# Altium PCB BACKPMANv21.PcbDoc (part 2 of 5) (continued)
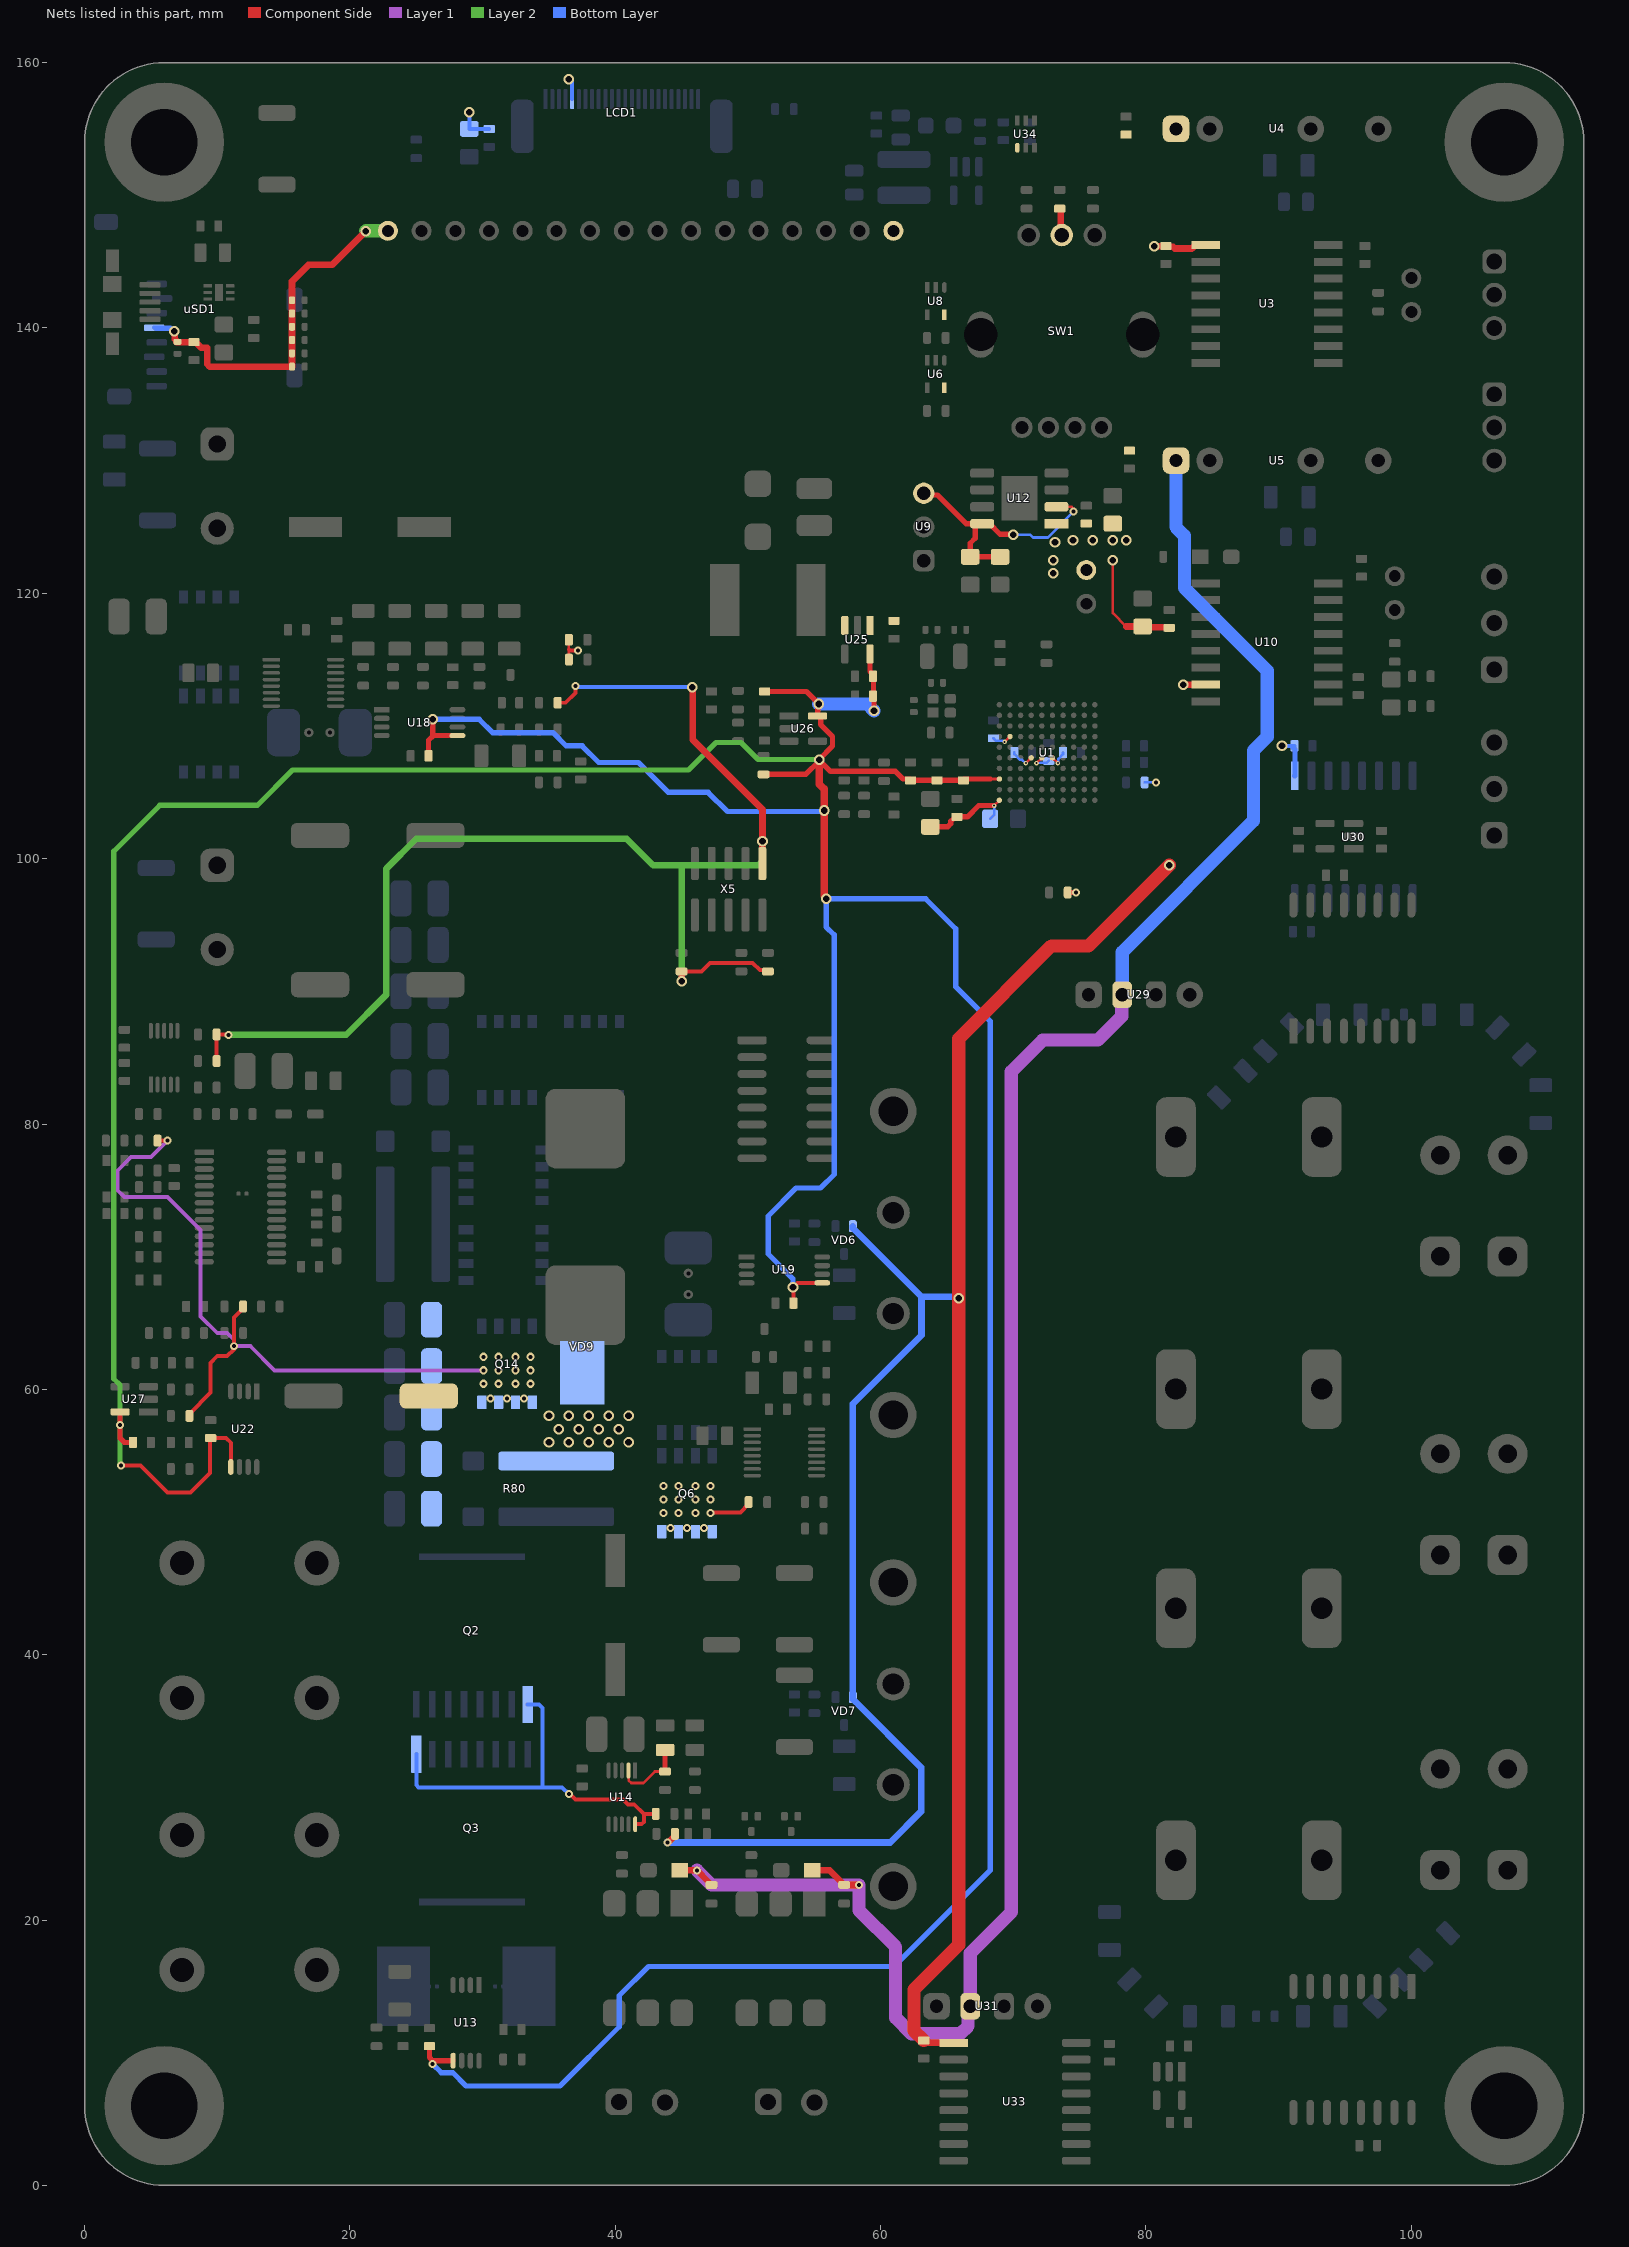
[diagram p4: the nets of this part, all layers, seen from the top]
## Part data (continued)
R50: "300 R, 1%, 0.1 W, 0603, SMD Resistor, Taped", Manufacturer=Vishay/Dale, PartNum=541-300HDKR-ND, Tolerance=1%, Voltage="75 V", Distributor=DigiKey, PartName=CRCW0603300RFKEA, Price=0.017$
R51 R53 R75: library part RMCF1206FT100K, "100 kOhms, ±1%, 0.25W, 1/4W, Thick Film, ±100ppm/°C, 1206 (3216 Metric), -55°C ~ 155°C, Automotive AEC-Q200", Manufacturer="Stackpole Electronics Inc.", Operating Temperature="-55°C ~ 155°C", Package / Case="1206 (3216 Metric)", PartNum=RMCF1206FT100KCT-ND, Power (Watts)="0.25W, 1/4W", Temperature Coefficient=±100ppm/°C, Tolerance=±1%, Voltage=200V, Distributor=Digi-Key, Features="Automotive AEC-Q200", PartName=RMCF1206FT100K, Part Number=RMCF1206FT100K, Price=0.01410
R52 R54: "4.7 K, 1%, 0603, SMD Resistor, Taped", Manufacturer="Vishay Dale", PartName=CRCW06034K70JNEA, PartNum=541-4.7KGDKR-ND, Tolerance=1%, Voltage="75 V", Distributor=Digi-Key
R55 R56: library part WSLF25122L000FEA, "2 mOhms, ±1%, 5W, Metal Element, ±70ppm/°C, 2512 (6432 Metric), -65°C ~ 170°C, Current Sense, Moisture Resistant, Pulse Withstanding", Manufacturer="Vishay Dale", Operating Temperature="-65°C ~ 170°C", Package / Case="2512 (6432 Metric)", PartNum=541-3126-1-ND, Power (Watts)=5W, Temperature Coefficient=±70ppm/°C, Tolerance=±1%, Distributor=Digi-Key, Features="Current Sense, Moisture Resistant, Pulse Withstanding", Part Number=WSLF25122L000FEA, PartName=WSLF25122L000FEA, Price=0.43430
R57: library part RMCF1206FT200K, "200 kOhms, ±1%, 0.25W, 1/4W, Thick Film, ±100ppm/°C, 1206 (3216 Metric), -55°C ~ 155°C, Automotive AEC-Q200", Manufacturer="Stackpole Electronics Inc.", Operating Temperature="-55°C ~ 155°C", Package / Case="1206 (3216 Metric)", PartNum=RMCF1206FT200KCT-ND, Power (Watts)="0.25W, 1/4W", Temperature Coefficient=±100ppm/°C, Tolerance=±1%, Voltage=200V, Distributor=Digi-Key, Features="Automotive AEC-Q200", PartName=RMCF1206FT200K, Part Number=RMCF1206FT200K, Price=0.01410
R59: library part RMCF1206FG150K, "150 kOhms, ±1%, 0.25W, 1/4W, Thick Film, ±100ppm/°C, 1206 (3216 Metric), -55°C ~ 155°C, Automotive AEC-Q200", Manufacturer="Stackpole Electronics Inc.", Operating Temperature="-55°C ~ 155°C", Package / Case="1206 (3216 Metric)", PartNum=RMCF1206FG150KCT-ND, Power (Watts)="0.25W, 1/4W", Temperature Coefficient=±100ppm/°C, Tolerance=±1%, Voltage=200V, Distributor=Digi-Key, Features="Automotive AEC-Q200", PartName=RMCF1206FG150K, Part Number=RMCF1206FG150K, Price=0.01500
R60: library part RMCF0603FT54K9, "54.9 kOhms, ±1%, 0.1W, 1/10W, Thick Film, ±100ppm/°C, 0603 (1608 Metric), -55°C ~ 155°C, Automotive AEC-Q200", Manufacturer="Stackpole Electronics Inc.", Operating Temperature="-55°C ~ 155°C", Package / Case="0603 (1608 Metric)", PartNum=RMCF0603FT54K9CT-ND, Power (Watts)="0.1W, 1/10W", Temperature Coefficient=±100ppm/°C, Tolerance=±1%, Voltage=75V, Distributor=Digi-Key, Features="Automotive AEC-Q200", PartName=RMCF0603FT54K9, Part Number=RMCF0603FT54K9, Price=0.00690
R64 R66 R84: library part RMCF0805FT10R0, "10 Ohms, ±1%, 0.125W, 1/8W, Thick Film, ±100ppm/°C, 0805 (2012 Metric), -55°C ~ 155°C, Automotive AEC-Q200", Manufacturer="Stackpole Electronics Inc.", Operating Temperature="-55°C ~ 155°C", Package / Case="0805 (2012 Metric)", PartNum=RMCF0805FT10R0CT-ND, Power (Watts)="0.125W, 1/8W", Temperature Coefficient=±100ppm/°C, Tolerance=±1%, Voltage=150V, Distributor=Digi-Key, Features="Automotive AEC-Q200", PartName=RMCF0805FT10R0, Part Number=RMCF0805FT10R0, Price=0.00950
R65: library part RMCF0603FT8K66, "8.66 kOhms, ±1%, 0.1W, 1/10W, Thick Film, ±100ppm/°C, 0603 (1608 Metric), -55°C ~ 155°C, Automotive AEC-Q200", Manufacturer="Stackpole Electronics Inc.", Operating Temperature="-55°C ~ 155°C", Package / Case="0603 (1608 Metric)", PartNum=RMCF0603FT8K66CT-ND, Power (Watts)="0.1W, 1/10W", Temperature Coefficient=±100ppm/°C, Tolerance=±1%, Voltage=75V, Distributor=Digi-Key, Features="Automotive AEC-Q200", PartName=RMCF0603FT8K66, Part Number=RMCF0603FT8K66, Price=0.00690
R69 R70: library part RC1206FR-075M6L, "5.6 MOhms, ±1%, 0.25W, 1/4W, Thick Film, ±100ppm/°C, 1206 (3216 Metric), -55°C ~ 155°C, Moisture Resistant", Manufacturer=Yageo, Operating Temperature="-55°C ~ 155°C", Package / Case="1206 (3216 Metric)", PartNum=311-5.60MFRCT-ND, Power (Watts)="0.25W, 1/4W", Temperature Coefficient=±100ppm/°C, Tolerance=±1%, Voltage=200V, Distributor=Digi-Key, Features="Moisture Resistant", PartName=RC1206FR-075M6L, Part Number=RC1206FR-075M6L, Price=0.03010
R73: library part RMCF0603FT510K, "510 kOhms, ±1%, 0.1W, 1/10W, Thick Film, ±100ppm/°C, 0603 (1608 Metric), -55°C ~ 155°C, Automotive AEC-Q200", Manufacturer="Stackpole Electronics Inc.", Operating Temperature="-55°C ~ 155°C", Package / Case="0603 (1608 Metric)", PartNum=RMCF0603FT510KCT-ND, Power (Watts)="0.1W, 1/10W", Temperature Coefficient=±100ppm/°C, Tolerance=±1%, Voltage=75V, Distributor=Digi-Key, Features="Automotive AEC-Q200", PartName=RMCF0603FT510K, Part Number=RMCF0603FT510K, Price=0.00690
R74: library part CRCW0603261KFKEA, "261 kOhms, ±1%, 0.1W, 1/10W, Thick Film, ±100ppm/°C, 0603 (1608 Metric), -55°C ~ 155°C, Automotive AEC-Q200", Manufacturer="Vishay Dale", Operating Temperature="-55°C ~ 155°C", Package / Case="0603 (1608 Metric)", PartNum=541-261KHCT-ND, Power (Watts)="0.1W, 1/10W", Temperature Coefficient=±100ppm/°C, Tolerance=±1%, Voltage=75V, Distributor=Digi-Key, Features="Automotive AEC-Q200", PartName=CRCW0603261KFKEA, Part Number=CRCW0603261KFKEA, Price=0.01700
R80 R86: "Curr.sens.res. 0.005 OHM 5W 1% , 4320 (50110 Metric)", Manufacturer=Ohmite, PartNum=588-FC4L110R005FER, Tolerance=1%, Distributor=Digi-Key, PartName=FC4L110R005FER, Price=2.42
R82 R95 R101 R102 R108 R113 R114 R115: library part RMCF0603FT100R, "100 Ohms, ±1%, 0.1W, 1/10W, Thick Film, ±100ppm/°C, 0603 (1608 Metric), -55°C ~ 155°C, Automotive AEC-Q200", Manufacturer="Stackpole Electronics Inc.", Operating Temperature="-55°C ~ 155°C", Package / Case="0603 (1608 Metric)", PartNum=RMCF0603FT100RCT-ND, Power (Watts)="0.1W, 1/10W", Temperature Coefficient=±100ppm/°C, Tolerance=±1%, Voltage=75V, Distributor=Digi-Key, Features="Automotive AEC-Q200", Part Number=RMCF0603FT100R, PartName=RMCF0603FT100R, Price=0.00690
R90: library part RMCF0603FT64K9, "64.9 kOhms, ±1%, 0.1W, 1/10W, Thick Film, ±100ppm/°C, 0603 (1608 Metric), -55°C ~ 155°C, Automotive AEC-Q200", Manufacturer="Stackpole Electronics Inc.", Operating Temperature="-55°C ~ 155°C", Package / Case="0603 (1608 Metric)", PartNum=RMCF0603FT64K9CT-ND, Power (Watts)="0.1W, 1/10W", Temperature Coefficient=±100ppm/°C, Tolerance=±1%, Voltage=75V, Distributor=Digi-Key, Features="Automotive AEC-Q200", Part Number=RMCF0603FT64K9, PartName=RMCF0603FT64K9, Price=0.00690
R93: library part RMCF0603FT27K0, "27 kOhms, ±1%, 0.1W, 1/10W, Thick Film, ±100ppm/°C, 0603 (1608 Metric), -55°C ~ 155°C, Automotive AEC-Q200", Manufacturer="Stackpole Electronics Inc.", Operating Temperature="-55°C ~ 155°C", Package / Case="0603 (1608 Metric)", PartNum=RMCF0603FT27K0CT-ND, Power (Watts)="0.1W, 1/10W", Temperature Coefficient=±100ppm/°C, Tolerance=±1%, Voltage=75V, Distributor=Digi-Key, Features="Automotive AEC-Q200", Part Number=RMCF0603FT27K0, PartName=RMCF0603FT27K0, Price=0.00690
R94: library part ERA-3AEB912V, "9,1 kOhms, ±0.1%, 0.1W, 1/10W, Thin Film, ±25ppm/°C, 0603 (1608 Metric), -55°C ~ 155°C, Automotive AEC-Q200", Manufacturer="Panasonic Electronic Components", Operating Temperature="-55°C ~ 155°C", Package / Case="0603 (1608 Metric)", PartNum=P9.1KDBCT-ND, Power (Watts)="0.1W, 1/10W", Temperature Coefficient=±25ppm/°C, Tolerance=±0.1%, Voltage=75V, Distributor=Digi-Key, Features="Automotive AEC-Q200", Part Number=ERA-3AEB912V, PartName=ERA-3AEB912V, Price=0.26
R96: library part ERA-3AEB224V, "220 kOhms, ±0.1%, 0.1W, 1/10W, Thin Film, ±25ppm/°C, 0603 (1608 Metric), -55°C ~ 155°C, Automotive AEC-Q200", Manufacturer="Panasonic Electronic Components", Operating Temperature="-55°C ~ 155°C", Package / Case="0603 (1608 Metric)", PartNum=P220KDBCT-ND, Power (Watts)="0.1W, 1/10W", Temperature Coefficient=±25ppm/°C, Tolerance=±0.1%, Voltage=75V, Distributor=Digi-Key, Features="Automotive AEC-Q200", Part Number=ERA-3AEB224V, PartName=ERA-3AEB224V, Price=0.26
R97 R98: library part RMCF0603FT4K70, "4.7 kOhms, ±1%, 0.1W, 1/10W, Thick Film, ±100ppm/°C, 0603 (1608 Metric), -55°C ~ 155°C, Automotive AEC-Q200", Manufacturer="Stackpole Electronics Inc.", Operating Temperature="-55°C ~ 155°C", Package / Case="0603 (1608 Metric)", PartNum=RMCF0603FT4K70CT-ND, Power (Watts)="0.1W, 1/10W", Temperature Coefficient=±100ppm/°C, Tolerance=±1%, Voltage=75V, Distributor=Digi-Key, Features="Automotive AEC-Q200", PartName=RMCF0603FT4K70, Part Number=RMCF0603FT4K70, Price=0.00690
R100: library part ERA-3AEB153V, "15 kOhms, ±0.1%, 0.1W, 1/10W, Thin Film, ±25ppm/°C, 0603 (1608 Metric), -55°C ~ 155°C, Automotive AEC-Q200", Manufacturer="Panasonic Electronic Components", Operating Temperature="-55°C ~ 155°C", Package / Case="0603 (1608 Metric)", PartNum=P15KDBCT-ND, Power (Watts)="0.1W, 1/10W", Temperature Coefficient=±25ppm/°C, Tolerance=±0.1%, Voltage=75V, Distributor=Digi-Key, Features="Automotive AEC-Q200", Part Number=ERA-3AEB153V, PartName=ERA-3AEB153V, Price=0.26
R106 R107: library part RT0603BRD07100KL, "100 kOhms, ±0.1%, 0.1W, 1/10W, Thin Film, ±25ppm/°C, 0603 (1608 Metric), -55°C ~ 155°C, -", Manufacturer=Yageo, Operating Temperature="-55°C ~ 155°C", Package / Case="0603 (1608 Metric)", PartNum=YAG1235CT-ND, Power (Watts)="0.1W, 1/10W", Temperature Coefficient=±25ppm/°C, Tolerance=±0.1%, Voltage=75V, Distributor=Digi-Key, Features=-, Part Number=RT0603BRD07100KL, PartName=RT0603BRD07100KL, Price=0.274
R109 R110: library part RT0603BRD071ML, "1 MOhms, ±0.1%, 0.1W, 1/10W, Thin Film, ±25ppm/°C, 0603 (1608 Metric), -55°C ~ 155°C, -", Manufacturer=Yageo, Operating Temperature="-55°C ~ 155°C", Package / Case="0603 (1608 Metric)", PartNum=YAG4498CT-ND, Power (Watts)="0.1W, 1/10W", Temperature Coefficient=±25ppm/°C, Tolerance=±0.1%, Voltage=75V, Distributor=Digi-Key, Features=-, Part Number=RT0603BRD071ML, PartName=RT0603BRD071ML, Price=0.254
R111 R112: library part ERA-3AEB823V, "82 kOhms, ±0.1%, 0.1W, 1/10W, Thin Film, ±25ppm/°C, 0603 (1608 Metric), -55°C ~ 155°C, Automotive AEC-Q200", Manufacturer="Panasonic Electronic Components", Operating Temperature="-55°C ~ 155°C", Package / Case="0603 (1608 Metric)", PartNum=P82KDBCT-ND, Power (Watts)="0.1W, 1/10W", Temperature Coefficient=±25ppm/°C, Tolerance=±0.1%, Voltage=75V, Distributor=Digi-Key, Features="Automotive AEC-Q200", Part Number=ERA-3AEB823V, PartName=ERA-3AEB823V, Price=0.26
R116 R117: "2 MOhms ±1% 0.25W, 1/4W Chip Resistor 1206 (3216 Metric) High Voltage Thick Film,-55°C ~ 155°C", Manufacturer="Vishay Dale", PartNum=BC2835CT-ND, Tolerance=±1%, Voltage=2000V, Distributor=Digi-Key, PartName=RCV12062M00FKEA, Price=0.29$
SW1: "Rotary Encoder Mechanical 24 Quadrature (Incremental) Vertical", Manufacturer="Bourns Inc.", PartNum=PEL12D-4225S-S2024-ND, Distributor=Digi-Key, PartName=PEL12D-4225S-S2024, Price=3.62$
U1: "Cortex-M7, 480MHz 2MB FLASH, 1MB RAM, 100-TFBGA (8x8)", Manufacturer=STMicroelectronics, PartNum=STM32H753VIH6-ND, Distributor=Digi-Key, PartName=STM32H753VIH6, Price=9.89$
U2: "Boost DC/DC, 2.5..5.5 to 1.24..32V, 900vA, 2.5Mhz, SOT-23-5, -40..+125 C", Manufacturer="Microchip Technology", PartNum=576-3967-1-ND, Distributor=Digi-Key, PartName=MIC2250-1YD5-TR, Supplier 1=Digi-Key, Supplier Part Number 1=576-3967-1-ND
U3: "RS422, RS485 Digital Isolator 2500Vrms 3 Channel 500kbps 25kV/µs CMTI 16-SOIC, -40°C ~ 85°C", Manufacturer="Analog Divices", PartNum=ADM2483BRWZ-ND, Distributor=Digi-Key, PartName=ADM2483BRWZ, Price=6.25$
U4 U5: "1W DC-DC Unregulated Single Output , 5V in, 5 V out,  200mA, 4 kV, -40°C ~ 85°C", Manufacturer="Recom Power", PartNum=945-3160-ND, Distributor=Digi-Key, PartName=RFMM-0505S, Price=1.7$
  U5: Supplier 1=Digi-Key, Supplier Part Number 1=945-3160-ND
U6 U8: "IC SGL SCHMITT BUFFER SOT353", Manufacturer="Diodes Incorporated", PartNum=74LVC1G17SE-7CT-ND, Distributor=Digi-Key, PartName=74LVC1G17SE-7
U9: "Linear Regulator Replacement DC DC Converter 1 Output 5V 500mA 6.5V - 36V Input", Manufacturer="CUI Inc.", PartNum=102-4244-ND, Distributor=Digi-Key, PartName=VX7805-500, Price=2.7$
U10: "IC Isol TXRX CAN HS 16SOIC", Manufacturer="Analog Divices", PartNum=ADM3054BRWZ-RL7CT-ND, Distributor=Digi-Key, PartName=ADM3054BRWZ-RL7
U11: "TVS DIODE 5.5VWM 12VC 6HXSON", Manufacturer="NXP Semiconductors", PartNum=568-10921-1-ND, Distributor=Digi-Key, PartName=PUSBM5V5X4-TL,115
U12: "LDO, 3.3 V, 1A, 0.36V@1A, Vin=6V max, -40..+85C, 8-SO-EP", Manufacturer="Diodes Incorporated", PartNum=AP7361C-33SP-13DICT-ND, Distributor=Digi-Key, PartName=AP7361C-33SP-13, Price=0.56$
U13 U18 U19: "Current Sense Amplifier, 50V/V, 2V/us, 400KHz, -40°C ~ 125°C, 8-TSSOP", Manufacturer="Texas Instruments", PartNum=296-50473-1-ND, Distributor=Digi-Key, PartName=INA240A2QPWRQ1, Price=3.48$, Supplier 1=Digi-Key, Supplier Part Number 1=296-50473-1-ND
U14: library part LTC4368HMS-1_PBF, "100V UV/OV and Reverse  Protection Controller with  Bidirectional Circuit Breaker, 10-Lead Plastic MSOP, -40°C...85°C", Manufacturer="Analog Devices", PartNum=LTC4368HMS-1#PBF-ND, Distributor=Digi-Key, PartName=LTC4368HMS-1#PBF, Price=3.12$
U15 U17: "Single Phase, Isolated, AC Power Monitoring IC / with Voltage Zero Crossing and Overcurrent Detection. 517 Vrms, 90A, SPI, 3.3V,  16-SOIC (0.295\", 7.50mm Width), -40°C ~ 125°C", Manufacturer="Allegro MicroSystems", PartNum=620-ACS37800KMACTR-030B3-SPICT-ND, Distributor=Digi-Key, PartName=ACS37800KMACTR-030B3-SPI, Price=5.4$
  U15: Supplier 1=Digi-Key, Supplier Part Number 1=620-ACS37800KMACTR-030B3-SPICT-ND
U16: "TRANS 7 NPN DARL 50V 500MA 16SO", Manufacturer=STMicroelectronics, PartNum=497-2345-1-ND, Distributor=DigiKey, PartName=ULN2003D1013TR, Price=0.52$
U20 U21: "Surge Stopper  with Ideal Diode, 4-80V, 16-Lead MSOP, -40°C...125°C", Manufacturer="Analog Devices", PartNum=LTC4364HMS-2#PBF-ND, Distributor=Digi-Key, PartName=LTC4364HMS-2#PBF, Price=5.66$, Supplier 1=Digi-Key, Supplier Part Number 1=LTC4364HMS-2#PBF-ND
U22: "Current Sense Amplifier, 20V/V, 2V/us, 400KHz, -40°C ~ 125°C, 8-TSSOP", Manufacturer="Texas Instruments", PartNum=296-50472-1-ND, Distributor=Digi-Key, PartName=INA240A1QPWRQ1, Price=2.8$, Supplier 1=Digi-Key, Supplier Part Number 1=296-50472-1-ND
U23: "Buck-Boost Regulator Positive Output Step-Up/Step-Down DC-DC Controller IC, 28-SSOP, -40°C ~ 125°C", Manufacturer="Linear Technology/Analog Devices", PartNum=LTC3789EGN#PBF-ND, Distributor=Digi-Key, PartName=LTC3789EGN#PBF, Price=5.6$, Supplier 1=Digi-Key, Supplier Part Number 1=LTC3789EGN#PBF-ND
U24: "10-Bit Digital-to-Analog Converter with Two-Wire Interface", Manufacturer="Texas Instruments", PartNum=296-DAC80501MDGSTCT-ND, Distributor=Digi-Key, PartName=DAC80501MDGST, Price=6$, Supplier 1=Digi-Key, Supplier Part Number 1=296-DAC80501MDGSTCT-ND
U25 U28 U32: "LDO 3.3 V, 250 mA, Vin < 5.5V, Iq < 12uA, -40..+125 C, SOT23-5", Manufacturer="Texas Instruments", PartNum=296-40365-1-ND, Distributor=Digi-Key, PartName=LP5907QMFX-3.3Q1, Supplier 1=Digi-Key, Supplier Part Number 1=296-40365-1-ND
U26: "Voltage Feedback Amplifier 1 Circuit Rail-to-Rail SOT-23-5", Manufacturer="Texas Instruments", PartNum=296-39224-1-ND, Distributor=Digi-Key, PartName=THS4281DBVR, Supplier 1=Digi-Key, Supplier Part Number 1=296-39224-1-ND
U27: "OpAmp,  Rail-to-Rail,  4,5MHz, VSS 2.7V ~ 40V, Vofs125µV,  SOT-23-5, -40°C ~ 125°C", Manufacturer="Texas Instruments", PartNum=296-OPA991IDBVRCT-ND, Distributor=Digi-Key, PartName=OPA991IDBVR, Price=1.34$, Supplier 1=Digi-Key, Supplier Part Number 1=296-OPA991IDBVRCT-ND
U29 U31: "200mA, DC-DC Unregulated Single Output , 5V in, 5 V out,  -40°C ~ 105°C", Manufacturer="Mornsun America, LLC", PartNum=2725-B0505S-1WR3-ND, Distributor=Digi-Key, PartName=B0505S-1WR3, Price=1.22$, Supplier 1=Digi-Key, Supplier Part Number 1=2725-B0505S-1WR3-ND
U30 U33: "IC ISOLATOR 4CH 5.5V 16-SOIC", Manufacturer="Silicon Laboratories Inc", PartNum=336-1762-5-ND, Distributor=Digi-Key, Price=3.46$
  U33: Supplier 1=Digi-Key, Supplier Part Number 1=336-1762-5-ND
U34: "Transistor Load Switch PNP Pre-Biased, N-Channel Pre-Biased 50V PNP, 60V N-Channel 200mA PNP, 115mA N-Channel Surface Mount SOT-363", Manufacturer="Diodes Incorporated", PartNum=LMN200B02DICT-ND, Distributor=Digi-Key, PartName=LMN200B02-7, Price=0.49$, Supplier 1=Digi-Key, Supplier Part Number 1=LMN200B02DICT-ND
uSD1: "microSD cadr holder", Manufacturer=3M, Distributor=Farnell, PartName=2908-05WB-MG, PartNum=2908-05WB-MG, Price=2.71$
VD1: "150 mA, 75V, 1005, 125 C", Manufacturer="Comchip Technology", PartNum=641-1004-1-ND, Distributor=Digi-Key, PartName=CDSF4148, Price=0.23$
VD2: "DIODE TVS 28V 400W UNI 5% SMD", Manufacturer="Bourns Inc.", PartNum=SMAJ28ABCT-ND, Distributor=Digi-Key, PartName=SMAJ28A, Price=0.18$
VD3: "TVS 600W, Vbr=33.3V, Vcl=48.4V,  Bidirectional, SMB, -55°C ~ 150°C", Manufacturer="Diodes Incorporated", PartNum=SMBJ30CA-FDICT-ND, Distributor=Digi-Key, PartName=SMBJ30CA-13-F, Price=0.21$
VD4 VD5: "TVS 600W 28V Bidirectional", Manufacturer=Littelfuse, PartName=SMBJ28CABCT-ND, Distributor=DigiKey, PartNum=SMBJ28CABCT-ND, Price=0.38$
VD6 VD7: "Series Shottky Diodes array, 40V, 300 mA, SOT-323, -40°C...150°C", Manufacturer=STMicroelectronics, PartNum=497-17757-1-ND, Distributor=Digi-Key, PartName=BAT54SWFILMY
VD8 VD10: "TVS 600W, Vbr=31.1V, Vcl=45.4V, Ipp=13.2A,  Bidirectional, SMB, -55°C ~ 150°C", Manufacturer="Diodes Incorporated", PartNum=SMBJ28CA-FDICT-ND, Distributor=Digi-Key, PartName=SMBJ28CA-13-F, Price=0.21$
VD9: "Schottky Power Rectifier 15A, 50V, 470mV @ 15A, SMA, -65°C ~ 150°C", Manufacturer="Diodes Incorporated", PartNum=SBRT15U50SP5-13DICT-ND, Distributor=Digi-Key, PartName=SBRT15U50SP5-13, Price=0.83$
VD11 VD13 VD14: library part BAS316-TP, "Diode 100V, 250mA (DC), 1.25V @ 150mA, 4ns, SC-76, SOD-323, -65°C ~ 150°C", Current - Average Rectified (Io)="250mA (DC)", Current - Reverse Leakage @ Vr="1µA @ 75V", Manufacturer="Micro Commercial Co", Operating Temperature="-65°C ~ 150°C", Package / Case="SC-76, SOD-323", PartNum=BAS316-TPMSCT-ND, Voltage - DC Reverse (Vr) (Max)=100V, Voltage - Forward (Vf) (Max) @ If="1.25V @ 150mA", Distributor=Digi-Key, PartName=BAS316-TP, Part Number=BAS316-TP, Price=0.22000, Reverse Recovery Time (trr)=4ns, Speed="Fast Recovery =< 500ns, > 200mA (Io)"
VD12: "TVS 600W 28V Bidirectional", Manufacturer=Littelfuse, PartNum=SMBJ28CABCT-ND, Distributor=DigiKey, Price=0.38$
X1 X2: "Printed-circuit board connector - MCV 0,5/ 3-G-2,5 - 1881561", Manufacturer="Phoenix Contact", PartName="MCV 0,5/ 3-G-2,5", Distributor="Phoenix Contact", PartNum=1881561, Price=0.33
X3 X4: "HEADER, VERTICAL, 3.5MM, 3WAY", Manufacturer="PHOENIX CONTACT", PartName="MCV 1,5/3-G-3,5", PartNum=1843619, Distributor=Farnell
X5: "10 Positions Header Connector 0.050\" (1.27mm) Surface Mount Gold", Manufacturer="Samtec Inc.", PartName=SHF-105-01-L-D-SM
X6 X8: "TERMINAL BLOCK, PCB, 10.16MM, 2WAY", Manufacturer="PHOENIX CONTACT", PartNum=1734796, Distributor=Farnell, Price="2.83 Euro"
X7 X9: "HEADER, VERTICAL, 3.5MM, 2WAY", Manufacturer="PHOENIX CONTACT", PartNum=1843606, Distributor=Farnell, PartName="MCV 1,5/2-G-3,5"
X10 X11 X12: "Header, Nominal current: 16 A, Rated voltage (III/2): 630 V, Number of positions: 2, Pitch: 7.62 mm, Color: green", Manufacturer="PHOENIX CONTACT", PartNum=1756485, Distributor="PHOENIX CONTACT", PartName="GICV 2,5 HC/ 2-G-7,62", Price="0.66 Euro"
X13 X14: "TERMINAL BLOCK, 2WAY, 6.35 mm, 32A, 500V", Manufacturer="Phoenix Contacts", PartNum=3704683, Distributor=Farnell, Price="1.49 Euro"
X19: "USB - micro B USB 2.0 Receptacle Connector 5 Position Surface Mount, Right Angle", Manufacturer="Amphenol FCI", PartNum=609-4052-1-ND, Distributor=Digi-Key, PartName=10104110-0001LF, Price=0.79$
Z1: "32.768 kHz, 12.5 pF, 70 kOhm, ±20ppm, 3.2 x 1.5 mm, -40°C ~ 85°C", Manufacturer="Abracon Corporation", PartNum=535-9542-1-ND, Tolerance="20 ppm", Distributor=Digi-Key, PartName=ABS07-32.768KHZ-T, Price=1.09$
Z2: "16 MHz, 9 pF, ±10ppm, 2.00mm x 1.60mm, -20°C ~ 70°C", Manufacturer="Abracon LLC", PartNum=535-13598-1-ND, Supplier Part Number 1=535-13598-2-ND, Tolerance="10 ppm", Distributor=Digi-Key, PartName=ABM11-16.000MHZ-9-B1U-T, Price="0.98 $", Supplier 1=Digi-Key
P1 P2 P3 P4 P5 P6 P7 P8 P9 P10 P11 P12 P13 P14 P15 P16: PartName="Pin 0.9 mm"

## Via types
v1: diameter 0.8, hole 0.5, Component Side to Bottom Layer, tented both sides, 220 vias
v2: diameter 0.6, hole 0.3, Component Side to Bottom Layer, tented both sides, 204 vias
v3: diameter 0.35, hole 0.15, Component Side to Bottom Layer, tented both sides, 137 vias
v4: diameter 0.61, hole 0.3, Component Side to Bottom Layer, tented both sides, 135 vias
v5: diameter 0.6, hole 0.3, Component Side to Bottom Layer, 94 vias
v6: diameter 0.8, hole 0.5, Component Side to Bottom Layer, 2 vias
v7: diameter 1, hole 0.5, Component Side to Bottom Layer, tented both sides, 2 vias
v8: diameter 1.2, hole 0.8, Component Side to Bottom Layer, 1 vias
v9: diameter 0.9, hole 0.5, Component Side to Bottom Layer, tented both sides, 1 vias

## Nets (pads, with @x,y where several pads share a name; then routed paths per layer and width w, separated by ;. In a path a pad name is that pad's centre, name@x,y a point inside that pad or via, vN(x,y) a via of type N, cw(c..) or ccw(c..) an arc to the next point about the centre after c; other vN are vias at no path point)
+3.3ADCV: C26.1 C51.1 C52.1 C77.1 C89.2 C91.1 C93.1 C96.2 C97.1 C100.1 C103.1 R106.2 U1.H1 U13.5 U18.5 U19.5 U22.5 U25.5 U26.5 U27.5 | length 379.5
  Component Side w0.2: 68.25,106 U1.H1@68.95,106
  Component Side w0.3: v2(2.75,54.25) 4.225,54.25 6.25,52.225 7.975,52.225 9.451,53.701 9.451,56.276 C77.1@9.5,56.325 10.675,56.325 11.025,55.975 U22.5@11.025,54.15 ; C52.1@53.425,66.5 53.425,67.699 53.751,68.025 U19.5@55.6,68.025
  Component Side w0.4: U27.5@2.675,58.3 v2(2.675,57.313) 2.675,56.325 3,56 C103.1@3.65,56 ; C51.1@25.925,107.75 25.925,108.925 26.25,109.25 ; C26.1@26,10.5 26,9.634 v2@26.234,9.4 ; v2(26.234,9.15) v2@26.234,9.4 ; v1@26.25,110.5 26.25,109.25 ; U13.5@27.775,9.4 v2@26.234,9.4 ; U18.5@28.1,109.275 26.275,109.275 26.25,109.25 ; R106.2@51.175,106.35 54.35,106.35 v1@55.372,107.372 ; C100.1@51.25,112.6 54.4,112.6 v1(55.342,111.658) ; v1@55.25,111.505 U26.5@55.25,110.75 55.401,110.75 55.476,110.675 55.476,110.109 56.375,109.21 56.375,108.483 v1@55.372,107.48 ; v1@55.342,111.655 v1@55.345,111.655 ; v1@55.372,107.426 56.22,106.578 61.112,106.578 61.691,106 62.15,106 C93.1@62.25,105.9 C89.2@64.25,105.9 C91.1@66.25,105.9 66.35,106 66.709,106 68.25,106 ; U25.5@59.2,115.425 59.2,114.1 59.425,113.875 C97.1@59.425,113.75 59.462,113.712 59.462,112.25 C96.2@59.425,112.25 59.5,112.175 v1@59.5,111.15
  Component Side w0.6: v1(55.372,107.467) 55.372,107.426 55.372,107.372 55.372,105.613 55.75,105.235 55.75,97.175 55.896,97.029 v1(55.896,96.975)
  Layer 2 w0.4: v2(2.75,54.25) 2.75,54.304 2.675,54.379 v2(2.675,57.313) 2.675,60.325 2.2,60.8 2.2,100.55 5.675,104.025 13.025,104.025 15.675,106.675 45.525,106.675 47.6,108.75 49.475,108.75 50.758,107.467 v1(55.372,107.467)
  Bottom Layer w0.4: v2(26.234,9.15) 26.884,8.5 27.75,8.5 28.75,7.5 35.838,7.5 40.3,11.962 40.3,14.3 42.5,16.5 61,16.5 68.25,23.75 68.25,87.75 65.65,90.35 65.65,94.718 63.393,96.975 59.174,96.975 v1(55.896,96.975) 55.896,94.859 56.5,94.254 56.5,76.205 55.47,75.175 53.627,75.175 51.525,73.073 51.525,70.2 53.4,68.325 v1@53.4,67.7 ; v1@26.25,110.5 29.75,110.5 30.75,109.5 35.3,109.5 36.3,108.5 37.5,108.5 38.75,107.25 41.75,107.25 44,105 47,105 48.452,103.548 55.673,103.548 v1(55.75,103.625)
  Bottom Layer w1: v1(55.342,111.658) 58.992,111.658 v1(59.497,111.153)
  other v1: 53.397,67.703 26.247,110.503
+3V3: C1.2 C2.1 C7.1 C18.2 C21.2 C22.2 C31.2 C33.2 C34.2 C36.2 C37.2 C39.2 C43.2 C46.2 C48.2 C58.2 C111.2 C112.2 J3.2 L6.2 LCD1.5 P1.1 P12.1 R7.1 R9.2 R12.2 R13.2 R17.2 R22.2 R27.2 R34.2 R38.2 R41.2 R42.2 R68.2 R72.2 R97.1 R98.1 R99.1 SW1.C U1.D2 U1.F4 U1.F5 U1.F6 U1.K1 U3.1 U10.7 U12.1 U30.1 U33.1 uSD1.4 VD6.2 VD7.2 X5.1 | length 346.9
  Component Side w0.2: R97.1@36.475,114.975 R97.1@36.5,115 36.5,115.75 R98.1@36.5,116.5 ; v3(68.55,104) U1.K1@68.95,104.4 ; v3(69.35,108.8) U1.D2@69.75,109.2 ; v3(70.95,107.2) U1.F4@71.35,107.6 ; v3(71.75,107.2) U1.F5@72.15,107.6 ; U1.F6@72.95,107.6 v3(73.35,107.2) ; v1(77.5,122.5) 77.5,118.5 78.5,117.5
  Component Side w0.3: C34.2@6.85,139.102 6.85,139.027 C34.2@6.925,138.952 ; R99.1@9.95,84.75 L6.2@9.95,86.75 10.825,86.75 v2(10.85,86.725) ; R68.2@35.65,111.75 36.25,111.75 37,112.5 v2(37,113) ; 36.5,115.75 36.55,115.7 v2(37.2,115.7) ; R17.2@45,91.5 46.5,91.5 47.15,92.15 50.35,92.15 50.901,91.599 51.401,91.599 R12.2@51.5,91.5
  Component Side w0.4: C36.2@63.75,102.4 65.049,102.4 65.283,102.634 65.283,102.808 65.625,103.15 66.543,103.15 67.393,104 v3(68.55,104) ; R72.2@74.1,97.45 v2(74.725,97.45)
  Component Side w0.5: v1(6.75,139.75) 6.807,139.693 6.807,139.145 6.85,139.102 6.95,139.002 6.95,138.977 6.975,138.952 C34.2@7,138.952 ; C34.2@6.925,138.952 6.952,138.925 C33.2@8.25,138.925 ; C33.2@8.25,138.939 8.361,138.939 8.8,138.5 9.25,138.5 9.25,137.263 9.426,137.088 R42.2@15.636,137.088 R41.2@15.636,138.088 R38.2@15.636,139.088 R34.2@15.636,140.088 R22.2@15.636,141.088 R9.2@15.636,142.088 15.636,143.511 16.875,144.75 18.65,144.75 v1(21.2,147.3) ; v2(43.925,25.85) 43.944,25.869 44.019,25.869 44.5,26.35 R27.2@44.5,26.5 ; v1(45,90.75) R17.2@45,91.5 ; v1(45.8,112.925) 45.825,112.9 45.825,108.975 51.095,103.705 v1(51.095,101.32) 51.088,101.313 51.088,99.644 X5.1@51.08,99.636 ; C112.2@63.25,10.925 63.375,10.925 63.55,10.75 U33.1@65.5,10.75 ; R13.2@73.5,149 73.525,149 73.575,148.95 73.575,147.075 SW1.C@73.65,147 ; 78.5,117.5 C48.2@79.75,117.5 79.8,117.45 81.7,117.45 C46.2@81.75,117.4 ; v1(80.614,146.164) 80.62,146.17 81.495,146.17 C7.1@81.5,146.175 ; C7.1@81.625,146.175 81.675,146.125 82.036,146.125 82.175,145.986 83.461,145.986 83.725,146.25 U3.1@84.5,146.25 ; v1(82.814,113.094) 82.832,113.112 84.482,113.112 U10.7@84.5,113.13
  Component Side w1: C112.2@63.25,10.925 62.51,11.665 62.51,14.76 65.88,18.13 v1(65.88,66.88) 65.88,86.43 72.871,93.421 75.671,93.421 v1(81.75,99.5)
  Layer 2 w0.5: v2(10.85,86.725) 19.725,86.725 22.75,89.75 22.75,99.25 25,101.5 40.85,101.5 42.85,99.5 45.1,99.5 ; v1(45,90.75) 45,99.4 45.1,99.5 ; v1(51.095,101.32) 51.095,99.793 50.802,99.5 45.1,99.5
  Layer 2 w1: v1(21.2,147.3) 21.22,147.32 P1.1@22.86,147.32
  Bottom Layer w0.2: C18.2@68.25,103 68.55,103.3 v3(68.55,104) ; C39.2@68.5,109.075 68.69,108.884 69.225,108.884 69.309,108.8 v3(69.35,108.8) ; C58.2@70.075,108 70.075,107.875 70.5,107.45 70.659,107.45 70.909,107.2 v3(70.95,107.2) ; v3(71.75,107.2) 71.779,107.229 72.521,107.229 C37.2@72.669,107.377 ; v3(73.35,107.2) 73.379,107.229 73.379,107.429 73.394,107.444 73.394,107.523 73.747,107.876 C31.2@73.747,108.001 ; R7.1@79.9,105.75 v2(80.75,105.75)
  Bottom Layer w0.3: v1(29,156.25) C2.1@29,155 C1.2@30.5,155 ; v1(36.5,158.75) 36.75,158.5 LCD1.5@36.75,157.25 ; v2(37,113) 37.05,112.95 45.775,112.95 v1(45.8,112.925) ; P12.1@60.96,147.32 P12.1@61.09,147.45 ; v1(90.246,108.509) 90.251,108.504 91.196,108.504 C111.2@91.2,108.5 ; uSD1.4@5.243,140.015 5.343,139.915 6.45,139.915 6.615,139.75 v1(6.75,139.75) 6.485,140.015 uSD1.4@5.243,140.015
  Bottom Layer w0.4: C111.2@91.075,108.375 91.225,108.225 91.225,106.265 U30.1@91.21,106.25
  Bottom Layer w0.5: v2(43.925,25.85) 60.725,25.85 63.05,28.175 63.05,31.501 VD7.2@57.951,36.6 ; VD6.2@57.9,72.3 57.9,72.15 63.075,66.975 ; VD7.2@57.95,36.6 57.9,36.65 VD7.2@57.9,36.8 57.9,58.9 63.075,64.075 63.075,66.975 ; v1(65.88,66.88) 65.823,66.938 65.611,66.938 65.574,66.975 63.075,66.975
  other v1: 73,121.5 73,122.5 73.142,123.858 74.5,124 76,124 77.5,124 78.5,124
+5V: C9.2 C19.2 C20.2 C40.2 C95.2 LED1.1 LED2.1 R18.1 R25.1 U4.1 U5.1 U6.5 U8.5 U9.3 U12.2 U12.8 U25.1 U25.3 U29.2 U31.2 U34.1 | length 190.2
  Component Side w0.2: U12.2@73.25,126.52 74.38,126.52 74.55,126.35 v2(74.55,126.15)
  Component Side w0.4: U9.3@63.25,127.54 63.388,127.402 64.292,127.402 66.444,125.25 U12.8@67.125,125.25 ; U12.8@67.275,125.25 67.125,125.1 67.125,124.148 66.75,123.773 C19.2@66.75,122.75 C20.2@69,122.75 ; U12.8@67.275,125.257 U12.8@67.643,125.257 ; U12.8@67.65,125.25 U12.8@67.643,125.257 ; v1(70,124.4) 69.95,124.45 69,124.45 68.193,125.257 U12.8@67.643,125.257 ; U5.1@82.154,130.106 U5.1@82.26,130 ; U4.1@82.21,155.05 U4.1@82.26,155 U4.1@82.325,154.935
  Component Side w0.5: LED1.1@44.85,23.75 v2(46.15,23.75) 47.05,22.85 47.05,22.7 47.1,22.65 R18.1@47.25,22.65 R18.1@47.3,22.6 ; LED2.1@54.85,23.75 56.15,23.75 57.05,22.85 57.05,22.7 57.1,22.65 R25.1@57.25,22.65 57.256,22.644 58.356,22.644 v2(58.362,22.638)
  Layer 1 w1: v2(46.15,23.75) 47.262,22.638 v2(58.362,22.638) 58.362,20.737 61.125,17.975 61.125,12.625 62.325,11.425 66.002,11.425 66.588,12.011 66.588,13.338 U31.2@66.75,13.5 ; U31.2@66.75,13.25 66.75,17.5 69.85,20.6 69.85,83.95 72.225,86.325 76.375,86.325 78.179,88.129 78.179,89.719 U29.2@78.21,89.75
  Bottom Layer w0.2: v1(70,124.4) 71.287,124.4 71.481,124.206 72.606,124.206 73.325,124.925 v2(74.55,126.15)
  Bottom Layer w1: U29.2@78.21,89.75 78.21,92.96 88.097,102.847 88.097,108.138 89.139,109.18 89.139,114.162 82.9,120.402 82.9,124.35 82.26,124.99 U5.1@82.26,130
ACC4: Q2.1 Q3.1 R30.1 U14.10 | length 29.8
  Component Side w0.3: v2(36.5,29.5) 36.581,29.5 36.986,29.095 40.588,29.095 40.962,28.721 41.429,28.721 42.15,28 ; U14.10@41.55,27.225 41.974,27.225 42.15,27.401 42.15,28 ; R30.1@43.05,28 42.15,28
  Bottom Layer w0.3: Q3.1@25,32.5 25,30.176 25.176,30 34.5,30 ; Q2.1@33.4,36.25 34.25,36.25 34.5,36 34.5,30 ; v2(36.5,29.5) 36,30 34.5,30
ACC5: R28.1 R32.2 U14.2 | length 5.6
  Component Side w0.2: U14.2@41,31.275 41.01,31.265 41.01,30.534 41.209,30.335 42.119,30.335 42.984,31.2 R32.2@43.75,31.2
  Component Side w0.4: R32.2@43.75,31.2 R28.1@43.75,32.825
ACC_DC_BUS: C61.1 C62.1 C63.1 C64.1 C65.1 C66.1 Q6.3 Q14.3 R71.2 R80.2 R96.2 R102.2 R110.1 VD9.3 | length 57.9
  Component Side w0.3: R96.2@5.5,78.75 v2(6.25,78.75) ; R110.1@7.9,58 7.9,58.15 9.5,59.75 9.5,62 10,62.5 10.75,62.5 11.25,63 v2(11.25,63.25) 11.25,65.4 11.95,66.1 R102.2@11.95,66.25 ; v4(47.183,50.672) 47.236,50.725 49.425,50.725 50.05,51.35 R71.2@50.05,51.5
  Layer 1 w0.3: v2(6.25,78.75) 5,77.5 3.5,77.5 2.5,76.5 2.5,75 3,74.5 6.25,74.5 8.75,72 8.75,65.5 10,64.25 10.75,64.25 11.25,63.75 v2(11.25,63.25) 12.5,63.25 14.312,61.438 v4(30.067,61.438)
  Bottom Layer w0.3: v4@30.015,60.422 v4(30.067,60.422)
  other v1: 35,56 36.5,56 38,56 39.5,56 41,56 35.75,57 37.25,57 38.75,57 40.25,57 35,58 36.5,58 38,58 39.5,58 41,58
  other v4: 44.15,49.55 45.4,49.55 46.675,49.55 43.627,50.672 44.77,50.672 46.04,50.672 43.627,51.688 44.77,51.688 46.04,51.688 47.183,51.688 43.627,52.704 44.77,52.704 46.04,52.704 47.183,52.704 30.59,59.3 31.84,59.3 33.115,59.3 31.21,60.422 32.48,60.422 33.623,60.422 31.21,61.438 32.48,61.438 33.623,61.438 30.067,62.454 31.21,62.454 32.48,62.454 33.623,62.454